# Altium PCB Copy of GameBoard_V1I1_083018.PcbDoc (part 5 of 21)
Units mil, origin at the board's own origin, x right, y up, seen from the top; angles counter-clockwise.
Board outline 7165.35 x 2763.78 mil, 12 copper layers (L1, L2, L3, L4, L5 (PWR), L6 (PWR), L7 (PWR), L8 (PWR), L9, L10, L11, L12), stack 61.575 mil thick; 1542 components, 1068 nets, 5447 pads, 3797 vias.
Unrouted connection lines stored in the file: 105.
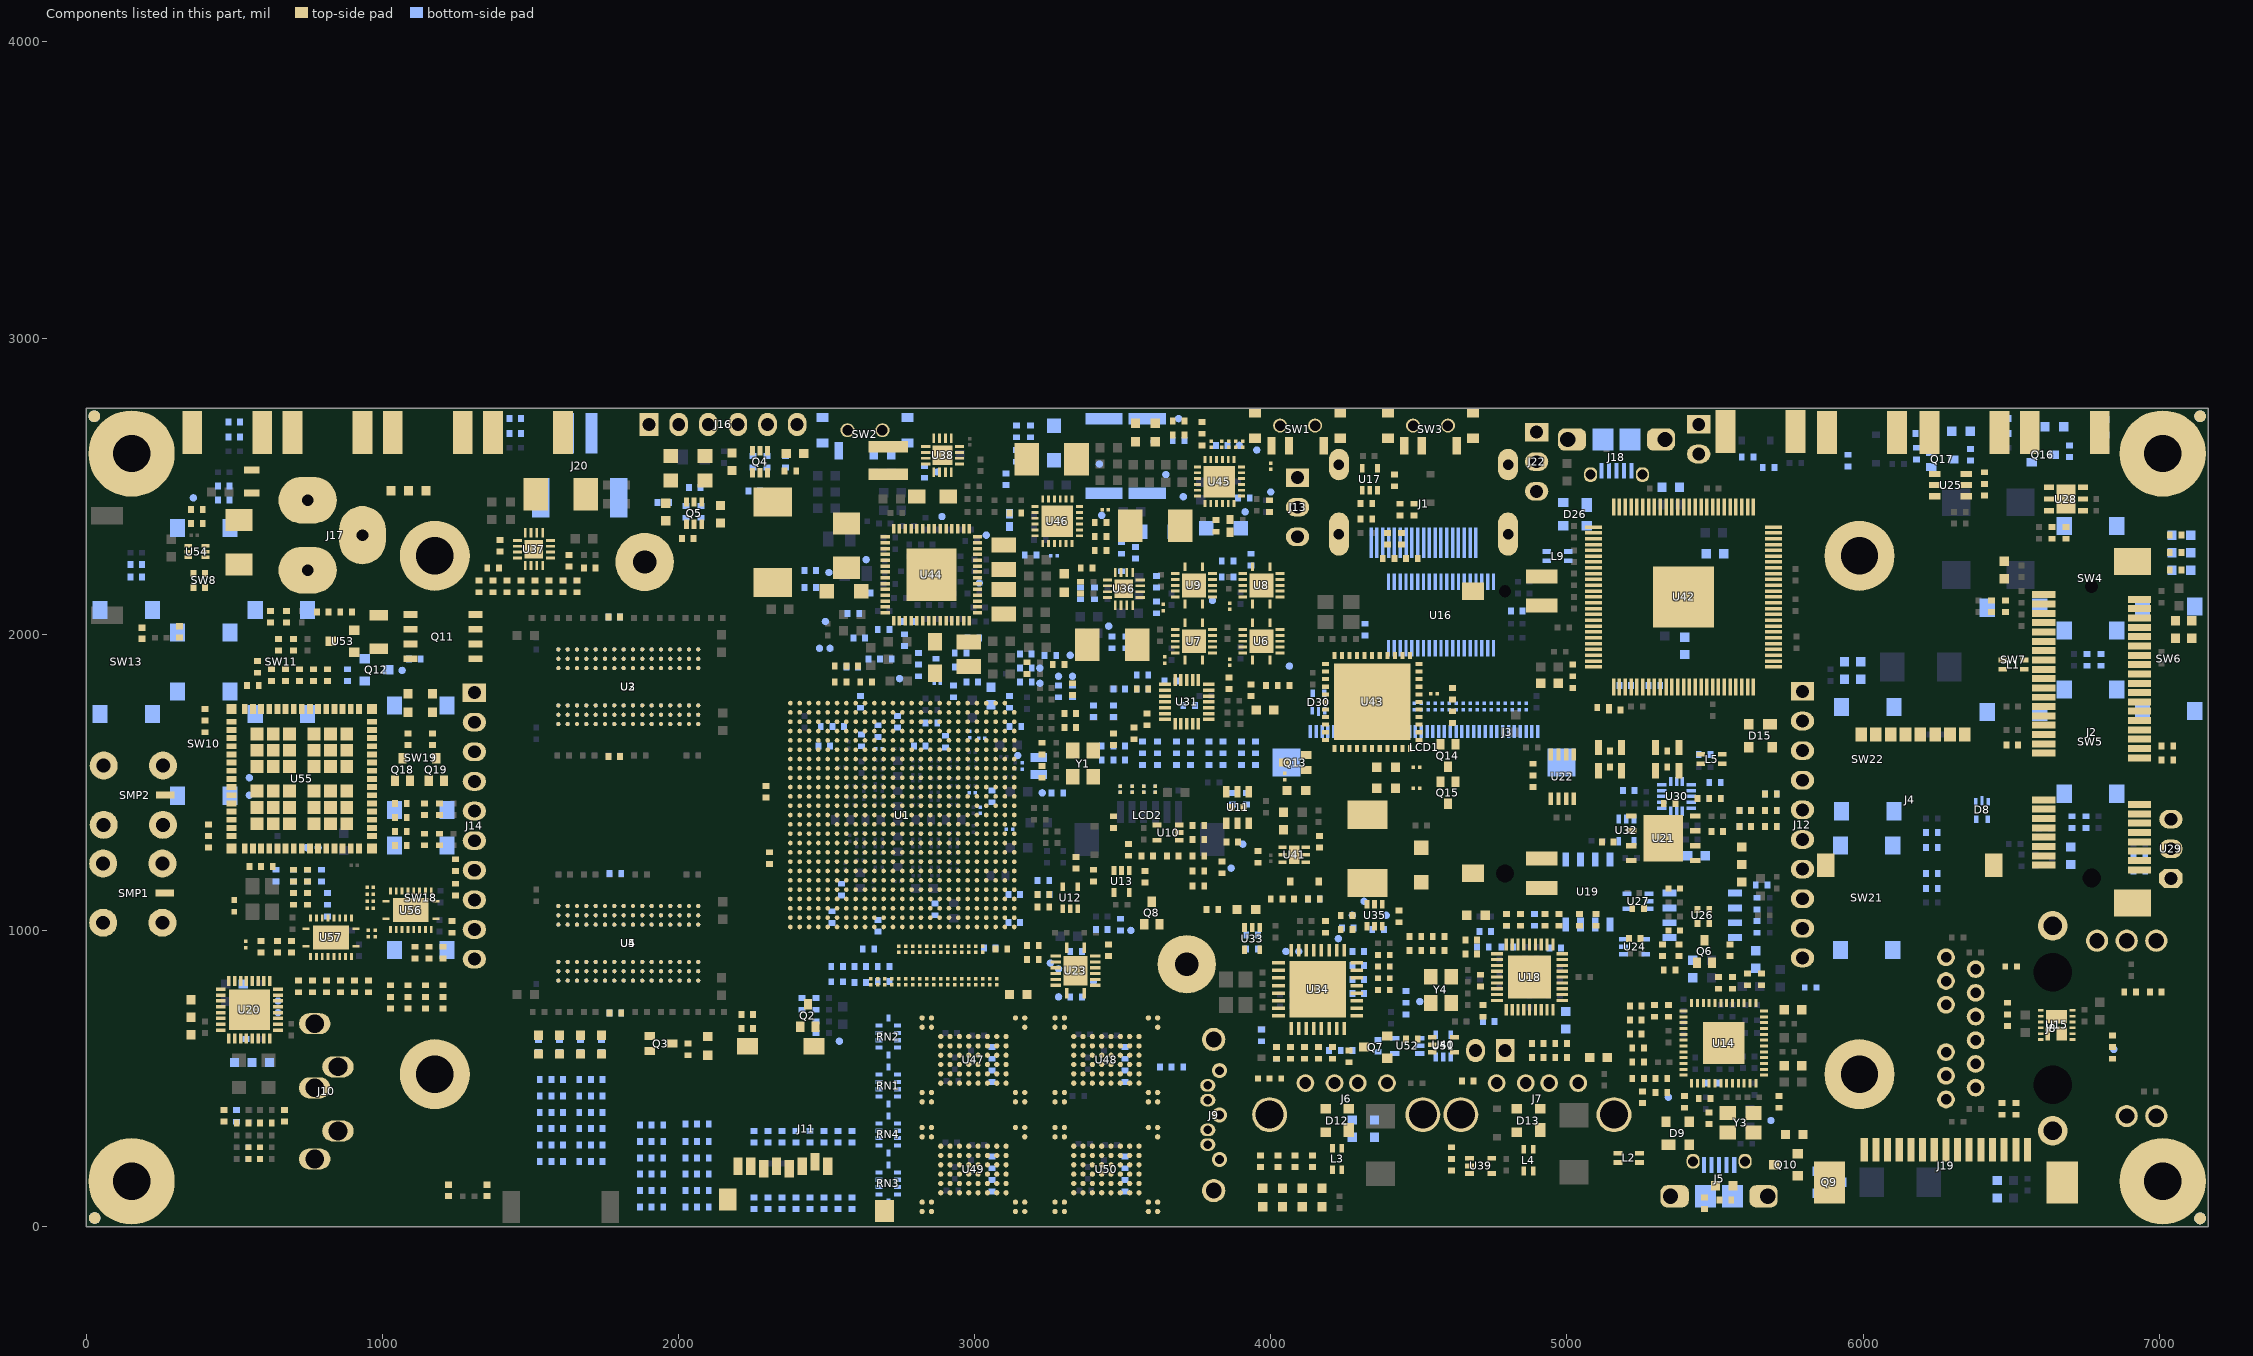
[diagram p15: the components of this part, seen from the top]

## Part data (continued)
D5 D6 D7 D29 D32 D41 D49 D50 D54: library part "LG L29K-G2J1-24-Z", "LED SMARTLED GREEN 570NM 0603", Current - Limit (Min)=600mA, Current - Output=500mA, Current - Test=2mA, Luminous Flux @ Current - Test="12 mlm", Manufacturer="OSRAM Opto Semiconductors Inc", Millicandela Rating=3.92mcd, Operating Temperature="-40°C ~ 125°C", Package / Case="0603 (1608 Metric)", Supplier Device Package="6-TMLF® (1.6x1.6)", Supplier Part Number=475-2709-1-ND, Voltage - Dropout (Typical)="0.16V @ 500mA", Voltage - Forward (Vf) Typ=1.7V, Voltage - Input="2.6 V ~ 6 V", Voltage - Output=2.5V, .Checked PCB=used, .Checked SCH=used, Category=Optoelectronics, Color=Green, ComponentLink1Description=http://catalog.osram-os.com/catalogue/catalogue.do;jsessionid=32CB61882C089EDD4B6D0A54E7E1F117?act=downloadFile&favOid=020000020000138e000100b6, ComponentLink1URL=http://catalog.osram-os.com/catalogue/catalogue.do;jsessionid=32CB61882C089EDD4B6D0A54E7E1F117?act=downloadFile&favOid=020000020000138e000100b6, ComponentLink2Description=http://www.micrel.com/_PDF/mic5353.pdf, ComponentLink2URL=http://www.micrel.com/_PDF/mic5353.pdf, Family="LEDs - <75mA, Discre", Height=0.65mm, Lens Style/Size="Rectangle with Flat Top, 1.3mm x 0.8mm", Lens Type=Diffused, Manufacturer Part Number="LG L29K-G2J1-24-Z", Mounting Type="Surface Mount", Number of Regulators=1, Packaging="Cut Tape (CT)", Price 1k [$]=0.08744, Pricing 1="1=0.16, 10=0.137, 100=0.1093, 250=0.09564, 500=0.08744 (USD)", Regulator Topology="Positive Fixed", RoHS="RoHS Compliant", Size / Dimension="1.70mm L x 0.80mm W", Stock 1=30318, Supplier=Digikey, Supplier 1=Digi-Key, Supplier Part Number 1=475-2709-1-ND, Viewing Angle=160°, Wavelength - Dominant=570nm, Wavelength - Peak=572nm
D8 D30: "TVS ZENER QUAD 5.6V SOT665", Manufacturer="NXP Semiconductors", Package / Case=SOT-665, Power (Watts)=16W, Supplier Part Number 1=568-7016-1-ND, Voltage - Breakdown=5.32V, Voltage - Reverse Standoff (Typ)=3V, .Checked PCB=used, .Checked SCH=used, .Creator=MM, Category="Circuit Protection", ComponentLink1Description=http://www.nxp.com/documents/data_sheet/BZA900A_SERIES.pdf, ComponentLink1URL=http://www.nxp.com/documents/data_sheet/BZA900A_SERIES.pdf, Manufacturer Part Number=BZA956A,115, Mounting Type="Surface Mount", Packaging="Cut Tape (CT)", Polarization="4 Channel Array - Unidirectional", Pricing 1="1=0.55, 10=0.386, 25=0.3176, 100=0.2537, 250=0.1848, 500=0.15008, 1000=0.11536 (USD)", RoHS="RoHS Compliant", Stock 1=7740, Supplier 1=Digi-Key, Supplier Device Package=SOT-665
D9 D12 D13 D15 D26: "DIODE SWITCHING 50V SOT-143", Current - DC Forward (If)=140mA, Manufacturer="Infineon Technologies", Package / Case="TO-253-4, TO-253AA", Supplier Device Package=PG-SOT143-4, Supplier Part Number=BGX50AINCT-ND, Voltage - Peak Reverse (Max)=50V, .Checked PCB=used, .Checked SCH=used, Category="Discrete Semiconductor Products", ComponentLink1Description=http://www.infineon.com/dgdl/bgx50aseries.pdf?folderId=db3a30431400ef6801141cc1c4cd04e8&fileId=db3a30431400ef6801141cc423c404e9, ComponentLink1URL=http://www.infineon.com/dgdl/bgx50aseries.pdf?folderId=db3a30431400ef6801141cc1c4cd04e8&fileId=db3a30431400ef6801141cc423c404e9, Diode Type="Single Phase", Family="Bridge Rectifiers", Manufacturer Part Number=BGX50AE6327, Mounting Type="Surface Mount", Packaging="Cut Tape (CT)", Price 1k [$]=0.10013, Pricing 1="1=0.47, 10=0.334, 100=0.2225, 500=0.12906, 1000=0.10013 (USD)", Reverse Recovery Time (trr)=6ns, RoHS="RoHS Compliant", Speed="Small Signal =< 200mA (Io), Any Speed", Stock 1=438, Supplier=Digikey, Supplier 1=Digi-Key, Supplier Part Number 1=BGX50AINCT-ND
D10 D16 D17 D20 D21: "SUPPRESSOR ESD 24VDC 0603 SMD", Manufacturer="Littelfuse Inc", Package / Case="0603 (1608 Metric)", Power (Watts)=-, Supplier Part Number 1=F2594CT-ND, Voltage - Reverse Standoff (Typ)=24V, .Checked PCB=used, .Checked SCH=used, .Creator=MM, Category="Circuit Protection", ComponentLink1Description=http://www.littelfuse.com/data/en/Data_Sheets/Littelfuse_PulseGuard-ESD_PGB1.pdf, ComponentLink1URL=http://www.littelfuse.com/data/en/Data_Sheets/Littelfuse_PulseGuard-ESD_PGB1.pdf, Manufacturer Part Number=PGB1010603MR, Mounting Type="Surface Mount", Packaging="Cut Tape (CT)", Polarization=Bidirectional, Pricing 1="1=0.66, 10=0.556, 25=0.4872, 100=0.4172, 250=0.3618, 500=0.30646 (USD)", RoHS="RoHS Compliant", Stock 1=155406, Supplier 1=Digi-Key, Supplier Device Package="0603 (1608 Metric)", Voltage - Breakdown=-
D11 D14 D22 D42 D55: library part "LO L29K-H2K1-24-Z", "LED SMARTLED ORANGE 606NM 0603", Current - Test=2mA, Luminous Flux @ Current - Test="25 mlm", Manufacturer="OSRAM Opto Semiconductors Inc", Millicandela Rating=6.3mcd, Package / Case="0603 (1608 Metric)", Supplier Part Number 1=475-2740-1-ND, Voltage - Forward (Vf) Typ=1.8V, .Checked PCB=used, .Checked SCH=used, Category=Optoelectronics, Color=Orange, ComponentLink1Description=http://catalog.osram-os.com/catalogue/catalogue.do;jsessionid=302CF83AF637AE24E40AEB0ADA267EDD?act=downloadFile&favOid=020000010003f9de000100b6, ComponentLink1URL=http://catalog.osram-os.com/catalogue/catalogue.do;jsessionid=302CF83AF637AE24E40AEB0ADA267EDD?act=downloadFile&favOid=020000010003f9de000100b6, Height=0.65mm, Lens Style/Size="Rectangle with Flat Top, 1.3mm x 0.8mm", Lens Type=Diffused, Manufacturer Part Number="LO L29K-H2K1-24-Z", Mounting Type="Surface Mount", Packaging="Cut Tape (CT)", Pricing 1="1=0.17, 10=0.141, 100=0.1127, 250=0.0986, 500=0.09016 (USD)", RoHS="RoHS Compliant", Size / Dimension="1.70mm L x 0.80mm W", Stock 1=15900, Supplier 1=Digi-Key, Viewing Angle=160°, Wavelength - Dominant=606nm, Wavelength - Peak=610nm
D18 D19 D27 D45: "DIODE SCHOTTKY 40V 1A SOD123L", Capacitance @ Vr, F=-, Current - Average Rectified (Io)=1A, Current - Reverse Leakage @ Vr="500µA @ 40V", Manufacturer="ON Semiconductor", Operating Temperature - Junction="-55°C ~ 125°C", Package / Case=SOD-123F, Supplier Device Package=SOD-123L, Supplier Part Number 1=MBR140SFT1GOSCT-ND, Voltage - DC Reverse (Vr) (Max)=40V, Voltage - Forward (Vf) (Max) @ If="550mV @ 1A", .Checked PCB=used, .Checked SCH=used, .Creator=MM, Category="Discrete Semiconductor Products", ComponentLink1Description=http://www.onsemi.com/pub_link/Collateral/MBR140SFT1-D.PDF, ComponentLink1URL=http://www.onsemi.com/pub_link/Collateral/MBR140SFT1-D.PDF, Diode Type=Schottky, Manufacturer Part Number=MBR140SFT1G, Mounting Type="Surface Mount", Packaging="Cut Tape (CT)", Pricing 1="1=0.47, 10=0.333, 25=0.274, 100=0.2188, 250=0.1594, 500=0.12944, 1000=0.0995 (USD)", Reverse Recovery Time (trr)=-, RoHS="RoHS Compliant", Speed="Fast Recovery =< 500ns, > 200mA (Io)", Stock 1=9727, Supplier 1=Digi-Key
D24: "DIODE GEN PURP 1KV 8A SMC", Capacitance @ Vr, F="40pF @ 4V, 1MHz", Current - Average Rectified (Io)=8A, Current - Reverse Leakage @ Vr="10µA @ 1000V", Manufacturer="Diodes Incorporated", Operating Temperature - Junction="-65°C ~ 150°C", Package / Case="DO-214AB, SMC", Supplier Device Package=SMC, Supplier Part Number 1=S8MCDICT-ND, Voltage - DC Reverse (Vr) (Max)="1000V (1kV)", Voltage - Forward (Vf) (Max) @ If="985mV @ 8A", .Checked PCB=used, .Checked SCH=used, .Creator=MM, Category="Discrete Semiconductor Products", ComponentLink1Description=http://www.diodes.com/datasheets/ds31117.pdf, ComponentLink1URL=http://www.diodes.com/datasheets/ds31117.pdf, Diode Type=Standard, Manufacturer Part Number=S8MC-13, Mounting Type="Surface Mount", Packaging="Cut Tape (CT)", Pricing 1="1=0.66, 10=0.578, 25=0.5104, 100=0.4448, 250=0.3872, 500=0.3296, 1000=0.264 (USD)", Reverse Recovery Time (trr)=-, RoHS="RoHS Compliant", Speed="Standard Recovery >500ns, > 200mA (Io)", Stock 1=79939, Supplier 1=Digi-Key
D28: "DIODE GEN PURP 75V 150MA SOD323F", Base Part Number=1N4148, Capacitance @ Vr, F="4pF @ 0V, 1MHz", Current - Average Rectified (Io)=150mA, Manufacturer="ON Semiconductor", Operating Temperature - Junction="150°C (Max)", Package / Case="SC-90, SOD-323F", Supplier Device Package=SOD-323F, .Creator=MB, Category="Discrete Semiconductor Products", ComponentLink1Description=https://www.fairchildsemi.com/datasheets/1N/1N4148WS.pdf, ComponentLink1URL=https://www.fairchildsemi.com/datasheets/1N/1N4148WS.pdf, Diode Type=Standard, Manufacturer Part Number=1N4148WS, Mounting Type="Surface Mount", Packaging="Cut Tape (CT)", Part Status=Active, Pricing 1="1=0.18, 10=0.168, 100=0.0912, 500=0.05614, 1000=0.03827 (USD)", RoHS="RoHS Compliant", Speed="Small Signal =< 200mA (Io), Any Speed", Stock 1=296426, Supplier 1=Digi-Key
D31 D33 D34 D35 D36 D37 D38 D39 D40 D51: library part "LS L29K-H1J2-1-Z", "LED SMARTLED RED 630NM 0603 SMD", Current - Test=2mA, Luminous Flux @ Current - Test="20 mlm", Manufacturer="OSRAM Opto Semiconductors Inc", Millicandela Rating=4.95mcd, Package / Case="0603 (1608 Metric)", Supplier Part Number 1=475-1195-1-ND, Voltage - Forward (Vf) Typ=1.8V, .Checked PCB=used, .Checked SCH=used, Category=Optoelectronics, Color=Red, ComponentLink1Description=http://catalog.osram-os.com/catalogue/catalogue.do;jsessionid=DB7CFDBAC5AF1E216E45F622E867085A?act=downloadFile&favOid=020000010003f9de000100b6, ComponentLink1URL=http://catalog.osram-os.com/catalogue/catalogue.do;jsessionid=DB7CFDBAC5AF1E216E45F622E867085A?act=downloadFile&favOid=020000010003f9de000100b6, Height=0.65mm, Lens Style/Size="Rectangle with Flat Top, 1.3mm x 0.8mm", Lens Type=Diffused, Manufacturer Part Number="LS L29K-H1J2-1-Z", Mounting Type="Surface Mount", Packaging="Cut Tape (CT)", Pricing 1="1=0.16, 10=0.137, 100=0.1093, 250=0.09564, 500=0.08744 (USD)", RoHS="RoHS Compliant", Size / Dimension="1.70mm L x 0.80mm W", Stock 1=71670, Supplier 1=Digi-Key, Viewing Angle=160°, Wavelength - Dominant=630nm, Wavelength - Peak=643nm
D46 D48 D52: "DIODE SCHOTTKY 30V 1A SOD123", Base Part Number=B130, Capacitance @ Vr, F="40pF @ 10V, 1MHz", Current - Average Rectified (Io)=1A, Manufacturer="Diodes Incorporated", Operating Temperature - Junction="-55°C ~ 125°C", Package / Case=SOD-123, Supplier Part Number 1=B130LAW-FDICT-ND, .Creator=MB, Category="Discrete Semiconductor Products", ComponentLink1Description=https://www.diodes.com/assets/Datasheets/ds30308.pdf, ComponentLink1URL=https://www.diodes.com/assets/Datasheets/ds30308.pdf, Diode Type=Schottky, Manufacturer Part Number=B130LAW-7-F, Mounting Type="Surface Mount", Packaging="Cut Tape (CT)", Part Status=Active, Pricing 1="1=0.39, 10=0.314, 100=0.2139, 500=0.16044, 1000=0.12032 (USD)", RoHS="RoHS Compliant", Speed="Fast Recovery =< 500ns, > 200mA (Io)", Stock 1=84030, Supplier 1=Digi-Key, Supplier Device Package=SOD-123
D47 D53: "DIODE SCHOTTKY 40V 380MA SOD523", Base Part Number=ZLLS350, Capacitance @ Vr, F="6pF @ 30V, 1MHz", Current - Average Rectified (Io)="380mA (DC)", Manufacturer="Diodes Incorporated", Operating Temperature - Junction="150°C (Max)", Package / Case="SC-79, SOD-523", Supplier Device Package=SOD-523, Supplier Part Number 1=ZLLS350TACT-ND, .Creator=MB, Category="Discrete Semiconductor Products", ComponentLink1Description=https://www.diodes.com/assets/Datasheets/ZLLS350.pdf, ComponentLink1URL=https://www.diodes.com/assets/Datasheets/ZLLS350.pdf, Diode Type=Schottky, Manufacturer Part Number=ZLLS350TA, Mounting Type="Surface Mount", Packaging="Cut Tape (CT)", Part Status=Active, Pricing 1="1=0.47, 10=0.404, 100=0.3014, 500=0.2368, 1000=0.18298 (USD)", RoHS="RoHS Compliant", Speed="Fast Recovery =< 500ns, > 200mA (Io)", Stock 1=219851, Supplier 1=Digi-Key
FB1 FB8 FB9 FB10 FB11 FB24 FB27 FB28 FB31 FB42 FB44 FB45 FB46 FB47 FB48: library part BLM18SG221TN1D, "FERRITE CHIP 220 OHM 2500MA 0603", Current Rating=2.5A, DC Resistance (DCR)="40 mOhm Max", Impedance @ Frequency="220 Ohm @ 100MHz", Manufacturer="Murata Electronics North America", Package / Case="0603 (1608 Metric)", Supplier Part Number 1=490-5225-1-ND, .Checked PCB=used, .Checked SCH=used, Category=Filters, ComponentLink1Description=http://search.murata.co.jp/Ceramy/image/img/PDF/ENG/L0110S0100BLM18S.pdf, ComponentLink1URL=http://search.murata.co.jp/Ceramy/image/img/PDF/ENG/L0110S0100BLM18S.pdf, Filter Type="Differential Mode - Single", Height (Max)="0.037\" (0.95mm)", Manufacturer Part Number=BLM18SG221TN1D, Mounting Type="Surface Mount", Number of Lines=1, Packaging="Cut Tape (CT)", Pricing 1="1=0.38, 10=0.282, 50=0.1646, 100=0.1316, 250=0.094, 500=0.06392, 1000=0.0517, 5000=0.04042 (USD)", RoHS="RoHS Compliant", Size / Dimension="0.063\" L x 0.031\" W (1.60mm x 0.80mm)", Stock 1=54640, Supplier 1=Digi-Key
FB2: library part BLM15AX300SN1D, "FERRITE CHIP 30 OHM 1100MA 0402", Current Rating=1.1A, DC Resistance (DCR)="60 mOhm Max", Impedance @ Frequency="30 Ohm @ 100MHz", Manufacturer="Murata Electronics North America", Package / Case="0402 (1005 Metric)", Supplier Part Number 1=490-5682-1-ND, .Checked PCB=used, .Checked SCH=used, Category=Filters, ComponentLink1Description=http://search.murata.co.jp/Ceramy/image/img/PDF/ENG/L0110S0100BLM15AX_SN.pdf, ComponentLink1URL=http://search.murata.co.jp/Ceramy/image/img/PDF/ENG/L0110S0100BLM15AX_SN.pdf, Filter Type="Differential Mode - Single", Height (Max)="0.022\" (0.55mm)", Manufacturer Part Number=BLM15AX300SN1D, Mounting Type="Surface Mount", Number of Lines=1, Packaging="Cut Tape (CT)", Pricing 1="1=0.26, 10=0.194, 50=0.1134, 100=0.0907, 250=0.0648, 500=0.04406, 1000=0.03564, 5000=0.02786 (USD)", RoHS="RoHS Compliant", Size / Dimension="0.039\" L x 0.020\" W (1.00mm x 0.50mm)", Stock 1=29684, Supplier 1=Digi-Key
FB3 FB4 FB6 FB7: "FERRITE CHIP 100 OHM BEAD 0603 3A", Current Rating=3A, DC Resistance (DCR)="30 mOhm Max", Impedance @ Frequency="100 Ohm @ 100MHz", Manufacturer="Murata Electronics North America", Package / Case="0603 (1608 Metric)", Supplier Part Number=490-5448-1-ND, .Checked PCB=used, .Checked SCH=used, Category=Filters, ComponentLink1Description=http://search.murata.co.jp/Ceramy/image/img/PDF/ENG/L0110S0100BLM18K.pdf, ComponentLink1URL=http://search.murata.co.jp/Ceramy/image/img/PDF/ENG/L0110S0100BLM18K.pdf, Filter Type="Differential Mode - Single", Height (Max)="0.030\" (0.75mm)", Manufacturer Part Number=BLM18KG101TN1D, Mounting Type="Surface Mount", Number of Lines=1, Packaging="Cut Tape (CT)", Price 1k [$]=0.04320, Pricing 1="1=0.35, 10=0.23, 50=0.1196, 100=0.0922, 250=0.06624, 500=0.04724, 1000=0.03456 (USD)", RoHS="RoHS Compliant", Size / Dimension="0.063\" L x 0.031\" W (1.60mm x 0.80mm)", Stock 1=10314, Supplier=Digikey, Supplier 1=Digi-Key, Supplier Part Number 1=490-5448-1-ND
FB5 FB21 FB22 FB23 FB32 FB33 FB36 FB37: "FERRITE CHIP 600 OHM 0402 420mA", Current Rating=420mA, DC Resistance (DCR)="340 mOhm Max", Impedance @ Frequency="600 Ohm @ 100MHz", Manufacturer="Murata Electronics North America", Package / Case="0402 (1005 Metric)", Supplier Part Number=490-5441-1-ND, .Checked PCB=used, .Checked SCH=used, Category=Filters, ComponentLink1Description=http://search.murata.co.jp/Ceramy/image/img/PDF/ENG/L0110S0100BLM15AX_SN.pdf, ComponentLink1URL=http://search.murata.co.jp/Ceramy/image/img/PDF/ENG/L0110S0100BLM15AX_SN.pdf, Filter Type="Differential Mode - Single", Height (Max)="0.022\" (0.55mm)", Manufacturer Part Number=BLM15AX601SN1D, Mounting Type="Surface Mount", Number of Lines=1, Packaging="Cut Tape (CT)", Price 1k [$]=0.03280, Pricing 1="1=0.26, 10=0.197, 50=0.1148, 100=0.0918, 250=0.0656, 500=0.0446, 1000=0.03608, 5000=0.02821 (USD)", RoHS="RoHS Compliant", Size / Dimension="0.039\" L x 0.020\" W (1.00mm x 0.50mm)", Stock 1=34008, Supplier=Digikey, Supplier 1=Digi-Key, Supplier Part Number 1=490-5441-1-ND
FB12 FB13 FB14 FB15 FB16 FB17 FB18 FB19 FB20 FB34 FB35 FB43 FB49 FB50 FB51: library part MPZ1608S601A, "FERRITE CHIP BEAD 600 OHM SMD 1A", Current Rating=1A, DC Resistance (DCR)="150 mOhm Max", Impedance @ Frequency="600 Ohm @ 100MHz", Manufacturer="TDK Corporation", Package / Case="0603 (1608 Metric)", Supplier Part Number 1=445-2205-1-ND, .Checked PCB=used, .Checked SCH=used, Category=Filters, ComponentLink1Description=http://www.tdk.co.jp/tefe02/e9413_mpz.pdf, ComponentLink1URL=http://www.tdk.co.jp/tefe02/e9413_mpz.pdf, Filter Type="Differential Mode - Single", Height (Max)="0.037\" (0.95mm)", Manufacturer Part Number=MPZ1608S601A, Mounting Type="Surface Mount", Number of Lines=1, Packaging="Cut Tape (CT)", Pricing 1="1=0.36, 10=0.24, 100=0.096, 250=0.069, 500=0.0492, 1000=0.036 (USD)", RoHS="RoHS Compliant", Size / Dimension="0.063\" L x 0.031\" W (1.60mm x 0.80mm)", Stock 1=328345, Supplier 1=Digi-Key
FB38 FB39 FB40 FB41 FB52: library part BLM15PD121SN1D, "FERRITE CHIP 120 OHM 1300MA 0402", Current Rating=1.3A, DC Resistance (DCR)="90 mOhm Max", Impedance @ Frequency="120 Ohm @ 100MHz", Manufacturer="Murata Electronics North America", Package / Case="0402 (1005 Metric)", Supplier Part Number 1=490-5203-1-ND, .Checked PCB=used, .Checked SCH=used, .Creator=MM, Category=Filters, ComponentLink1Description=http://media.digikey.com/pdf/Data%20Sheets/Murata%20PDFs/BLM15P_Series.pdf, ComponentLink1URL=http://media.digikey.com/pdf/Data%20Sheets/Murata%20PDFs/BLM15P_Series.pdf, Filter Type="Differential Mode - Single", Height (Max)="0.022\" (0.55mm)", Manufacturer Part Number=BLM15PD121SN1D, Mounting Type="Surface Mount", Packaging="Cut Tape (CT)", Pricing 1="1=0.12, 10=0.096, 50=0.0636, 100=0.0549, 250=0.04332, 500=0.03658, 1000=0.0308, 5000=0.02743 (USD)", RoHS="RoHS Compliant", Size / Dimension="0.039\" L x 0.020\" W (1.00mm x 0.50mm)", Stock 1=478960, Supplier 1=Digi-Key
FID1 FID2 FID3 FID4 FID5 FID6 FID7 FID8: "Fiducial 40mil Diameter, 52mil Mask", .Checked PCB=used, .Checked SCH=used, Supplier=Digikey
J1: library part 47151-0001_v1.1, "CONN RCPT 19POS HDMI RT ANG SMD", Manufacturer="Molex Connector Corporation", Operating Temperature="-20°C to +85°C", Supplier Part Number=WM19086CT-ND, .Checked PCB=used, .Checked SCH=used, .Version="V1.1 - Changed holes to slots", Category="Connectors, Interconnects", ComponentLink1Description=http://www.molex.com/pdm_docs/sd/471510001_sd.pdf, ComponentLink1URL=http://www.molex.com/pdm_docs/sd/471510001_sd.pdf, Connector Type=HDMI, Family="USB, IEEE-1394 (Firewire), DVI, HDMI", Features="Detent Lock", Gender=Receptacle, Ingress Protection=-, Manufacturer Part Number=47151-0001, Mounting Type="Surface Mount, Right Angle, Horizontal", Number of Contacts=19, Number of Positions=19, Packaging="Cut Tape (CT)", Pitch="0.50mm (.020\")", Price 1k [$]=1.74610, Pricing 1="1=3.1, 10=2.57, 50=2.1456, 100=1.9034 (USD)", RoHS="RoHS Compliant", Specifications=-, Stock 1=2756, Supplier=Digikey, Supplier 1=Digi-Key, Supplier Part Number 1=WM19086CT-ND
J2: "CONN MINI EXPRESS CARD 52POS SMD", Color=-, Manufacturer="JAE Electronics", Operating Temperature="-40°C ~ 85°C", Supplier Part Number 1=670-2275-1-ND, .Checked PCB=used, .Checked SCH=used, .Creator=MM, Card Thickness="0.039\" (1.00mm)", Card Type="PCI Express Mini Card", Category="Connectors, Interconnects", ComponentLink1Description=http://jae-connectors.com/en/pdf/JACS-10313_MM60.pdf, ComponentLink1URL=http://jae-connectors.com/en/pdf/JACS-10313_MM60.pdf, Contact Finish=Gold, Contact Finish Thickness="4µin (0.10µm)", Contact Material="Copper Alloy", Contact Type=-, Features="Board Guide", Flange Feature=-, Gender=Female, Manufacturer Part Number=MM60-52B1-E1-R650, Material - Insulation=Thermoplastic, Mounting Type="Surface Mount, Right Angle", Number of Positions=52, Number of Positions/Bay/Row=-, Number of Rows=2, Packaging="Cut Tape (CT)", Pitch="0.031\" (0.80mm)", Pricing 1="1=2.16, 10=1.962, 25=1.842, 100=1.6817, 250=1.52152 (USD)", Read Out=Dual, RoHS="RoHS Compliant", Stock 1=470, Supplier 1=Digi-Key, Termination=Solder
J3: "CONN MINI EXPRESS CARD LATCH SMD", Manufacturer="JAE Electronics", Supplier Part Number 1=670-2277-1-ND, .Checked PCB=used, .Checked SCH=used, .Creator=MM, Accessory Type=Latch, Category="Connectors, Interconnects", ComponentLink1Description=http://jae-connector.com/en/pdf/SJ105221.pdf, ComponentLink1URL=http://jae-connector.com/en/pdf/SJ105221.pdf, For Use With/Related Products="PCI Express Mini Card", Manufacturer Part Number=MM60-EZH059-B5-R650, Packaging="Cut Tape (CT)", Pricing 1="1=1.22, 10=1.075, 25=1.0116, 100=0.9272, 250=0.84292 (USD)", RoHS="RoHS Compliant", Stock 1=4853, Supplier 1=Digi-Key
J4: "CONN SMART CARD", Manufacturer="Wurth Electronics Inc", Supplier Part Number 1=732-5957-1-ND, .Checked PCB=used, .Checked SCH=used, .Creator=MM, Card Type="Micro SIM", Category="Connectors, Interconnects", ComponentLink1Description=http://katalog.we-online.de/em/datasheet/693022010811.pdf, ComponentLink1URL=http://katalog.we-online.de/em/datasheet/693022010811.pdf, Connector Type="Connector and Ejector", Contact Finish=Gold, Contact Finish Thickness=-, Ejector Side=-, Features=Shielded, Height Above Board="0.077\" (1.95mm)", Insertion, Removal Method="Hinged Lid", Manufacturer Part Number=693022010811, Mounting Feature="Normal, Standard - Top", Mounting Type="Surface Mount, Right Angle", Number of Positions=8, Packaging="Cut Tape (CT)", Pricing 1="1=1.94, 10=1.74, 50=1.61, 100=1.48, 500=1.29 (USD)", RoHS="RoHS Compliant", Stock 1=1977, Supplier 1=Digi-Key
J5 J18: library part 0475890001, "CONN RCPT MICRO USB AB R/A SMD", Manufacturer="Molex Inc", Supplier Part Number 1=WM17143CT-ND, .Checked PCB=used, .Checked SCH=used, .Creator=MM, Category="Connectors, Interconnects", ComponentLink1Description=http://www.molex.com/pdm_docs/sd/475890001_sd.pdf, ComponentLink1URL=http://www.molex.com/pdm_docs/sd/475890001_sd.pdf, Connector Type="USB - micro AB", Features="Board Guide, Shielded", Gender=Receptacle, Ingress Protection=-, Manufacturer Part Number=0475890001, Mounting Type="Surface Mount, Right Angle, Horizontal", Number of Contacts=5, Packaging="Cut Tape (CT)", Pricing 1="1=0.81, 10=0.764, 25=0.6872, 50=0.6108, 100=0.5854, 250=0.53452, 500=0.50908 (USD)", RoHS="RoHS Compliant", Specifications=-, Stock 1=12754, Supplier 1=Digi-Key
J6 J7: "USB - A USB 2.0 Receptacle Connector 4 Position Through Hole, Right Angle, Horizontal", Case/Package=Module, Colour=Black, Flammability Rating="UL94 V-0", Manufacturer="Amphenol Commercial", Max Operating Temperature=85°C, Max Voltage Rating (AC)=30V, Min Operating Temperature=-55°C, Package Quantity=120, Supplier Part Number 1=UE27AC54100-ND, .Creator=MB, ComponentLink1Description=https://datasheet.ciiva.com/3095/usb-cat-3095736.pdf, ComponentLink1URL=https://datasheet.ciiva.com/3095/usb-cat-3095736.pdf, ComponentLink2Description=https://datasheet.ciiva.com/16668/usb-cat-16668272.pdf, ComponentLink2URL=https://datasheet.ciiva.com/16668/usb-cat-16668272.pdf, ComponentLink3Description=https://datasheet.ciiva.com/851/ue27acx4x0x-851297.pdf, ComponentLink3URL=https://datasheet.ciiva.com/851/ue27acx4x0x-851297.pdf, ComponentLink4Description=https://datasheet.ciiva.com/12494/ue27acx4x0x-45641-12494043.pdf, ComponentLink4URL=https://datasheet.ciiva.com/12494/ue27acx4x0x-45641-12494043.pdf, Connector Type=USB, Contact Material="Nickel,Copper Alloy", Contact Plating=Nickel,Tin,Gold, Depth=13.85mm, Gender=Receptacle, Housing Material=Thermoplastic, Lead Free="Lead Free", Length=14.5mm, Manufacturer Part Number=UE27-AC54-100, Mount="Through Hole,Horizontal", Number of Contacts=4, Number of Ports=1, Number of Positions=4, Number of Terminals=4, Orientation="Right Angle", Packaging=Tray, Pricing 1="1=0.52, 10=0.486, 25=0.4376, 50=0.3888, 100=0.3726, 250=0.3402, 500=0.324, 1000=0.2673, 2500=0.243 (USD)", Radiation Hardening=No, REACH SVHC=Unknown, Stock 1=16102, Supplier 1=Digi-Key, Termination=Solder
J8: "CONN MAGJACK 1PORT SHLD 1000BT", LED Color="Green, Orange - Yellow", Manufacturer="Bel Fuse Inc", Supplier Part Number 1=380-1110-ND, .Checked PCB=used, .Checked SCH=used, Category="Connectors, Interconnects", ComponentLink1Description=http://www.belfuse.com/Data/Datasheets/L829-1J1T-43.pdf, ComponentLink1URL=http://www.belfuse.com/Data/Datasheets/L829-1J1T-43.pdf, Connector Type=RJ45, Features="AutoMDIX, Board Guide", Height Above Board="0.445\" (11.30mm)", Manufacturer Part Number=L829-1J1T-43, Mounting Type="Panel Mount; Through Hole, Right Angle", Number of Cores per Jack=8, Number of Ports=1, Number of Rows=1, Packaging=Tray, Pricing 1="1=4.67, 10=3.863, 100=2.8974, 250=2.672, 500=2.41446, 1000=2.14082, 2500=2.05229, 5000=2.01205 (GBP)", RoHS="RoHS Compliant", Shielding=Shielded, Speed="10/100/1000 Base-T", Stock 1=7172, Supplier 1=Digi-Key, Tab Direction=Up
J9: "CONN SATA HDR 7POS PCB VERT", Manufacturer="Molex Inc", Supplier Part Number 1=WM4059-ND, .Checked PCB=used, .Checked SCH=used, Category="Connectors, Interconnects", ComponentLink1Description=http://www.molex.com/elqNow/elqRedir.htm?ref=http://www.molex.com/pdm_docs/sd/471554001_sd.pdf, ComponentLink1URL=http://www.molex.com/elqNow/elqRedir.htm?ref=http://www.molex.com/pdm_docs/sd/471554001_sd.pdf, Connector Style="Header, Shrouded", Connector Type=SATA, Contact Finish=Gold, Contact Finish Thickness=Flash, Features="Board Lock", Manufacturer Part Number=0471554001, Mounting Type="Through Hole", Number of Positions=7, Packaging=Tray, Pricing 1="1=1.37, 10=1.065, 25=0.9928, 50=0.9026, 100=0.8123, 250=0.68592, 500=0.6498, 1000=0.5776, 2500=0.48013 (USD)", RoHS="RoHS Compliant", Stock 1=8065, Supplier 1=Digi-Key, Termination=Solder
J10: "3.50mm (0.141\", 1/8\", Mini Plug) - Headphone Phone Jack Stereo Connector Solder", Colour=Green, Current Rating=1A, Manufacturer=CUI, Supplier Part Number 1=CP1-3535NG-GR-ND, .Creator=MB, ComponentLink1Description=http://www.cui.com/product/resource/digikeypdf/sj1-353xng.pdf, ComponentLink1URL=http://www.cui.com/product/resource/digikeypdf/sj1-353xng.pdf, Connector Type=Jack, Contact Plating=Tin, Gender=Female, Lead Free="Lead Free", Manufacturer Part Number=SJ1-3535NG-GR, Mount="Through Hole", Number of Conductors=3, Number of Ports=1, Orientation=Horizontal, Packaging=Bulk, Pricing 1="1=1.24, 10=1.091, 25=1.0272, 50=0.9844, 100=0.9416, 250=0.856, 500=0.7704, 1000=0.6848, 2500=0.6206 (USD)", Shielding=Unshielded, Stock 1=8769, Supplier 1=Digi-Key, Termination=Solder
J11: "CONN MICRO SD 8 POS SMD", Manufacturer="Wurth Electronics Inc", Supplier Part Number 1=732-3819-1-ND, .Checked PCB=used, .Checked SCH=used, .Creator=MM, Card Type="Secure Digital - microSD™", Category="Connectors, Interconnects", ComponentLink1Description=http://katalog.we-online.de/em/datasheet/693071010811.pdf, ComponentLink1URL=http://katalog.we-online.de/em/datasheet/693071010811.pdf, Connector Type="Connector and Ejector", Contact Finish=Gold, Contact Finish Thickness=-, Ejector Side=-, Features=Switch, Height Above Board="0.072\" (1.83mm)", Insertion, Removal Method="Push In, Push Out", Manufacturer Part Number=693071010811, Mounting Feature="Normal, Standard - Top", Mounting Type="Surface Mount, Right Angle", Number of Positions="9 (8 + 1)", Packaging="Cut Tape (CT)", Pricing 1="1=3.32, 10=3.188, 50=2.805, 100=2.6775, 500=2.295, 1400=2.10375 (USD)", RoHS="RoHS Compliant", Stock 1=4877, Supplier 1=Digi-Key
J12 J14: "CONN RCPT 10POS .100\" DUAL GOLD", Colour=Black, Contact Resistance=10mR, Manufacturer=Samtec, Max Current Rating=6.9A, Max Operating Temperature=125°C, Max Voltage Rating (AC)=550V, Min Operating Temperature=-55°C, Supplier Part Number 1=SAM10029-ND, .Creator=MB, ComponentLink1Description=http://components.arrow.com/part/dataview/0323_01321048, ComponentLink1URL=http://components.arrow.com/part/dataview/0323_01321048, ComponentLink2Description=ftp://ftp.samtec.com/webfiles/PDF/SSQ_TH.PDF, ComponentLink2URL=ftp://ftp.samtec.com/webfiles/PDF/SSQ_TH.PDF, Contact Material=Bronze, Contact Plating=Nickel,Gold, Depth=2.41mm, Gender=Female, Housing Colour=Black, Housing Material=Polymer, Length=25.91mm, Manufacturer Part Number=SSW-110-01-F-S, Mating Cycles=100, Number of Contacts=10, Number of Rows=1, Orientation=Straight, Packaging=Bulk, Pitch=2.54mm, Pricing 1="1=1.49, 10=1.237, 100=0.916, 500=0.7328, 1000=0.6641, 5000=0.58395, 10000=0.5725 (USD)", Radiation Hardening=No, Stock 1=1320, Supplier 1=Digi-Key, Termination=Solder
J13 J22: "CONN HEADER 3 POS 2.54mm Solder ST Thru-Hole", Colour=Black, Manufacturer=Samtec, Max Current Rating=3A, Max Operating Temperature=105°C, Min Operating Temperature=-55°C, Package Quantity=1, Supplier Part Number 1=SAM1101-03-ND, .Creator=MB, ComponentLink1Description=https://datasheet.ciiva.com/6888/tlw-mkt-6888489.pdf, ComponentLink1URL=https://datasheet.ciiva.com/6888/tlw-mkt-6888489.pdf, ComponentLink2Description=https://datasheet.ciiva.com/10303/mtlw-th-10303518.pdf, ComponentLink2URL=https://datasheet.ciiva.com/10303/mtlw-th-10303518.pdf, Connector Type="Male Pin", Contact Material=Bronze, Contact Mating Length=0.105inch, Contact Plating=Nickel,Tin, Depth=2.48mm, Gender=Male, Housing Colour=Black, Housing Material=Polymer, Lead Free="Lead Free", Length=7.62mm, Manufacturer Part Number=TLW-103-06-T-S, Mount="Through Hole", Number of Contacts=3, Number of Positions=3, Number of Rows=1, Orientation=Straight, Packaging=Bulk, Pitch=2.54mm, Pricing 1="1=1.02, 10=0.913, 100=0.7517, 500=0.59422, 1000=0.51009, 5000=0.46535, 10000=0.44745 (USD)", Radiation Hardening=No, Stock 1=1017, Supplier 1=Digi-Key, Termination=Solder, Width=2.45mm
J16: library part 68001-206HLF, "CONN HEADER 6POS .100 STR 15AU", Color=Black, Manufacturer=FCI, Supplier Part Number 1=609-3403-ND, .Checked PCB=used, .Checked SCH=used, .Creator=MM, Category="Connectors, Interconnects", ComponentLink1Description=http://portal.fciconnect.com/Comergent//fci/drawing/68000.pdf, ComponentLink1URL=http://portal.fciconnect.com/Comergent//fci/drawing/68000.pdf, Connector Type="Header, Unshrouded", Contact Finish=Gold, Contact Finish Thickness="15µin (0.38µm)", Contact Mating Length="0.230\" (5.84mm)", Contact Type="Male Pin", Fastening Type=-, Features=-, Manufacturer Part Number=68001-206HLF, Mounting Type="Through Hole", Number of Positions=6, Number of Positions Loaded=All, Number of Rows=1, Packaging=Bulk, Pitch="0.100\" (2.54mm)", Pricing 1="1=0.44, 10=0.412, 25=0.3704, 50=0.3292, 100=0.3156, 250=0.28812, 500=0.2744, 1000=0.22638, 2500=0.2058 (USD)", RoHS="RoHS Compliant", Row Spacing=-, Stock 1=2198, Supplier 1=Digi-Key, Termination=Solder
J17: library part PJ-002AH_v1.1, "CONN PWR JACK 2.1X5.5MM HIGH CUR", Color=Black, Current Rating=5A, Manufacturer="CUI Inc", Operating Temperature="-25°C ~ 85°C", Supplier Part Number=CP-002AH-ND, Voltage - Rated=24VDC, .Checked PCB=used, .Checked SCH=used, .Creator=MM, Category="Connectors, Interconnects", ComponentLink1Description=http://products.cui.com/GetSpecForDigiKey.aspx?MFGNum=PJ-002AH, ComponentLink1URL=http://products.cui.com/GetSpecForDigiKey.aspx?MFGNum=PJ-002AH, Connector Type=Jack, Contact Material="Copper Alloy", Contact Material - Plating=Nickel, Family="Barrel - Power", Features=-, Gender=Male, Housing Color=Black, Housing Material=Thermoplastic, Internal Switch(s)="Single Switch, Normally Closed", Manufacturer Part Number=PJ-002AH, Mating connector="2.1mm ID, 5.5mm OD", Mounting Type="Through Hole, Right Angle", Number of Positions/Contacts="2 Conductors, 3 Contacts", Plug/Mating Plug Diameter="2.1mm ID, 5.5mm OD", Price 1k [$]=0.23625, Pricing 1="1=1.01, 10=0.704, 100=0.4724, 500=0.3819, 1000=0.3417, 2500=0.27135 (USD)", RoHS="RoHS Compliant", Shielding=Unshielded, Stock 1=138933, Supplier=Digikey, Supplier 1=Digi-Key, Supplier Part Number 1=CP-002AH-ND, Termination="Solder Eyelet(s)"